# EAGLE board Mk4 Final a Panel score 2x5 (EAGLE 9.0.1), part 26 of 29
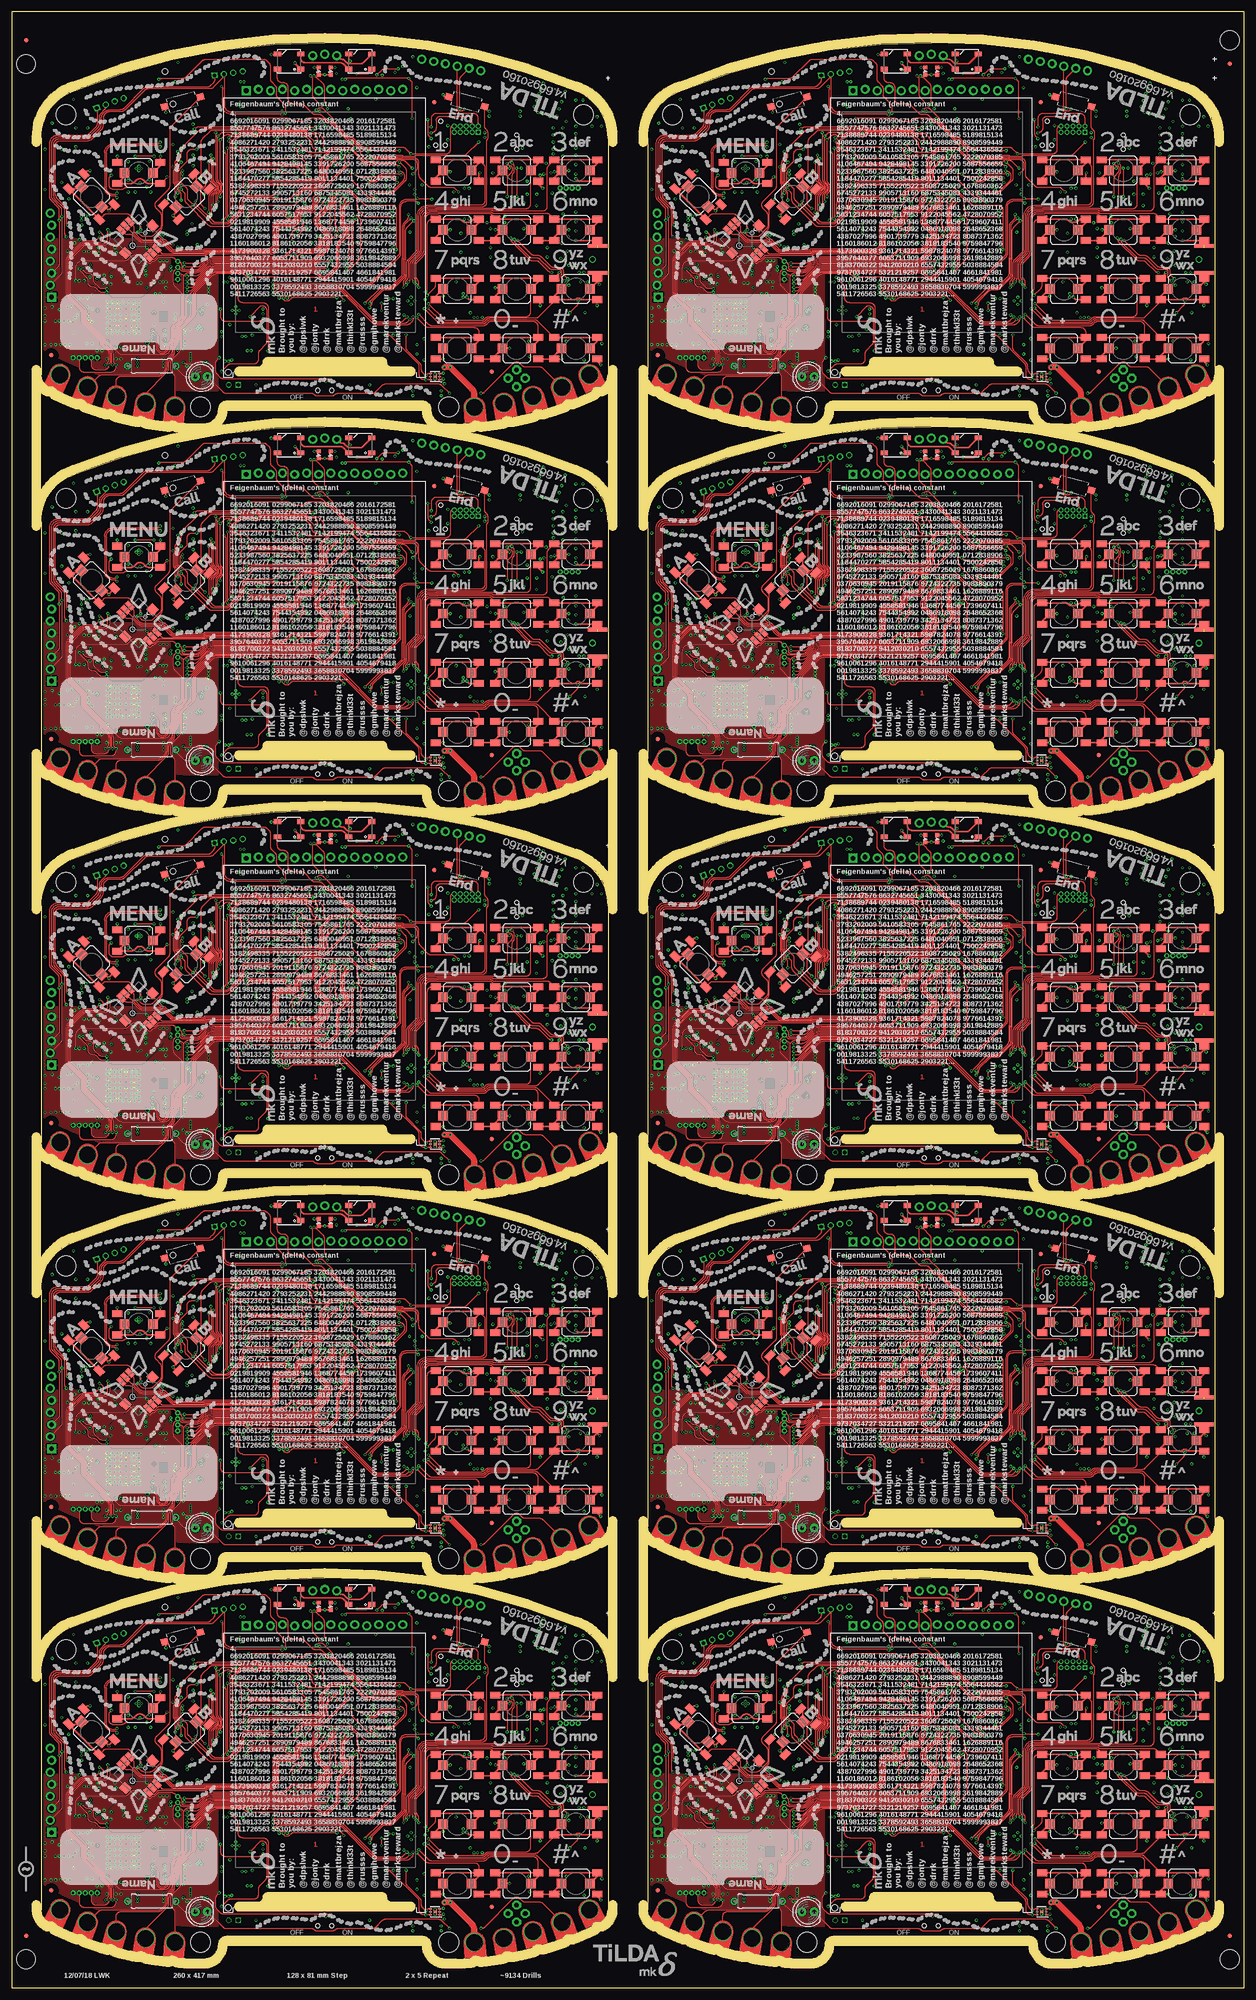
[diagram p0: board, top side]
## Tracks (layer width: path | path; a pad name or v marks a point on that pad's centre or on a via) (continued)
T4CCP12  (via drill 0.3) (continued)
  Bottom 0.15: v49.8,280.65 arc-45 49.29,280.86 46.34,283.81 arc45 44.92,284.4 39.23,284.4 arc-45 38.52,284.69 34.93,288.29 arc-45 34.8,288.6 34.8,288.75 arc90 33.05,290.5 30.06,290.5 arc-45 29.36,290.79 27.76,292.39 arc45 26.52,292.9 17.11,292.9 arc-45 v16.41,293.19 v16.4,293.2
  Bottom 0.2: v71,296.2 71.44,296.63 arc-90 72.14,296.63 72.43,296.35 arc45 72.78,296.2 IC110.127
T4CCP13  (via drill 0.3)
  Top 0.15: PCB6.CH1 34.38,258.9 arc45 34.09,259.61 33.74,259.96 arc-45 33.45,260.66 33.45,261.89 arc-45 33.74,262.59 35.27,264.12 arc45 35.6,264.91 35.6,268.46 arc-45 35.89,269.17 38.23,271.51 arc45 38.6,272.39 38.6,276.21 arc-45 38.89,276.92 42.38,280.41 arc-45 43.09,280.7 48.59,280.7 arc-45 49.29,280.41 49.45,280.25 arc45 49.81,280.1 v50.4,280.1 56,280.1 56.05,280.05 63.94,280.05 arc-45 64.64,279.76 arc45 65.02,279.6 66.08,279.6 arc45 67.14,280.04 68.66,281.56 arc45 69.1,282.62 69.1,286.49 arc-45 69.39,287.19 70.41,288.21 arc45 70.92,289.45 70.92,290.34 70.9,290.37 arc45 70.66,290.94 70.49,291.11 arc-45 70.2,291.81 70.2,294.19 arc-45 70.49,294.89 v71.8,296.2
  3V3@2 0.15: v15.6,292.9 15.6,290.6 15,290 13,290 12.25,289.25 12.25,288 10.16,285.91 JP62.5
  Bottom 0.15: v50.4,280.1 49.81,280.1 arc-45 49.45,280.25 46.11,283.59 arc45 44.88,284.1 39.11,284.1 arc-45 38.4,284.39 34.65,288.15 arc-45 34.5,288.5 34.5,288.7 arc90 33,290.2 30.02,290.2 arc-45 29.13,290.57 27.54,292.16 arc45 26.48,292.6 16.31,292.6 arc-45 v15.61,292.89 v15.6,292.9
  Bottom 0.2: IC110.128 72.41,295.8 arc-45 72.05,295.95 v71.8,296.2
T4CCP14  (via drill 0.3)
  Top 0.15: v199,296.2 198.72,295.92 arc45 198.57,295.57 arc-45 198.46,295.3 198.19,295.03 arc45 197.9,294.32 197.9,291.61 arc45 198.19,290.91 198.42,290.68 arc-45 198.6,290.24 198.62,290.22 198.62,289.55 arc-45 198.19,288.49 197.17,287.47 arc45 196.8,286.58 196.8,282.72 arc-45 196.43,281.83 194.87,280.27 arc-45 193.98,279.9 193.41,279.9 arc-45 192.71,280.19 192.29,280.61 arc45 191.59,280.9 178.26,280.9 arc45 177.9,280.75 v177.8,280.65 177.74,280.71 arc45 177.04,281 171.07,281 arc45 170.19,280.63 166.67,277.12 arc45 166.3,276.23 166.3,272.41 arc-45 166.01,271.71 163.67,269.37 arc45 163.3,268.48 163.3,267.01 arc-45 162.69,265.54 arc45 162.4,264.84 162.4,264.3 arc-45 161.96,263.24 161.52,262.79 arc45 161.15,261.91 161.15,260.97 arc-45 160.71,259.91 156.2,255.4 PCB7.CH2
  3V3@2 0.15: PCB7.CH2 | v144.4,293.2 144.4,292.9 144,292.5 144,290.5 143,289.5 141.5,289.5 140.6,288.6 140.6,287.6 136.37,283.37 JP71.4
  Bottom 0.15: v177.8,280.65 arc-45 177.29,280.86 174.34,283.81 arc45 172.92,284.4 167.23,284.4 arc-45 166.52,284.69 162.93,288.29 arc-45 162.8,288.6 162.8,288.75 arc90 161.05,290.5 158.06,290.5 arc-45 157.36,290.79 155.76,292.39 arc45 154.53,292.9 145.11,292.9 arc-45 v144.41,293.19 v144.4,293.2
  Bottom 0.2: v199,296.2 199.44,296.63 arc-90 200.14,296.63 200.43,296.35 arc45 200.78,296.2 IC128.127
T4CCP15  (via drill 0.3)
  Top 0.15: PCB7.CH1 162.38,258.9 arc45 162.09,259.61 161.74,259.96 arc-45 161.45,260.66 161.45,261.89 arc-45 161.74,262.59 163.28,264.12 arc45 163.6,264.91 163.6,268.46 arc-45 163.89,269.17 166.23,271.51 arc45 166.6,272.39 166.6,276.21 arc-45 166.89,276.92 170.38,280.41 arc-45 171.09,280.7 176.59,280.7 arc-45 177.29,280.41 177.45,280.25 arc45 177.81,280.1 v178.4,280.1 184,280.1 184.05,280.05 191.94,280.05 arc-45 192.64,279.76 arc45 193.02,279.6 194.08,279.6 arc45 195.14,280.04 196.66,281.56 arc45 197.1,282.62 197.1,286.49 arc-45 197.39,287.19 198.41,288.21 arc45 198.93,289.45 198.93,290.34 198.9,290.37 arc45 198.66,290.94 198.49,291.11 arc-45 198.2,291.81 198.2,294.19 arc-45 198.49,294.89 v199.8,296.2
  3V3@2 0.15: v143.6,292.9 143.6,290.6 143,290 141,290 140.25,289.25 140.25,288 138.16,285.91 JP71.5
  Bottom 0.15: v178.4,280.1 177.81,280.1 arc-45 177.45,280.25 174.11,283.59 arc45 172.88,284.1 167.11,284.1 arc-45 166.4,284.39 162.65,288.15 arc-45 162.5,288.5 162.5,288.7 arc90 161,290.2 158.02,290.2 arc-45 157.13,290.57 155.54,292.16 arc45 154.48,292.6 144.31,292.6 arc-45 v143.61,292.89 v143.6,292.9
  Bottom 0.2: IC128.128 200.41,295.8 arc-45 200.05,295.95 v199.8,296.2
T4CCP16  (via drill 0.3)
  Top 0.15: v71,377.2 70.72,376.92 arc45 70.58,376.57 arc-45 70.46,376.3 70.19,376.03 arc45 69.9,375.32 69.9,372.61 arc45 70.19,371.91 70.42,371.68 arc-45 70.6,371.24 70.62,371.22 70.62,370.55 arc-45 70.19,369.49 69.17,368.47 arc45 68.8,367.58 68.8,363.72 arc-45 68.43,362.83 66.87,361.27 arc-45 65.98,360.9 65.41,360.9 arc-45 64.71,361.19 64.29,361.61 arc45 63.59,361.9 50.26,361.9 arc45 49.9,361.75 v49.8,361.65 49.74,361.71 arc45 49.04,362 43.07,362 arc45 42.19,361.63 38.67,358.12 arc45 38.3,357.23 38.3,353.41 arc-45 38.01,352.71 35.67,350.37 arc45 35.3,349.48 35.3,348.01 arc-45 34.69,346.54 arc45 34.4,345.84 34.4,345.3 arc-45 33.96,344.24 33.52,343.79 arc45 33.15,342.91 33.15,341.97 arc-45 32.71,340.91 28.2,336.4 PCB8.CH2
  3V3@2 0.15: PCB8.CH2 | v16.4,374.2 16.4,373.9 16,373.5 16,371.5 15,370.5 13.5,370.5 12.6,369.6 12.6,368.6 8.37,364.37 JP80.4
  Bottom 0.15: v49.8,361.65 arc-45 49.29,361.86 46.34,364.81 arc45 44.92,365.4 39.23,365.4 arc-45 38.52,365.69 34.93,369.29 arc-45 34.8,369.6 34.8,369.75 arc90 33.05,371.5 30.06,371.5 arc-45 29.36,371.79 27.76,373.39 arc45 26.52,373.9 17.11,373.9 arc-45 v16.41,374.19 v16.4,374.2
  Bottom 0.2: v71,377.2 71.44,377.63 arc-90 72.14,377.63 72.43,377.35 arc45 72.78,377.2 IC146.127
T4CCP17  (via drill 0.3)
  Top 0.15: PCB8.CH1 34.38,339.9 arc45 34.09,340.61 33.74,340.96 arc-45 33.45,341.66 33.45,342.89 arc-45 33.74,343.59 35.27,345.12 arc45 35.6,345.91 35.6,349.46 arc-45 35.89,350.17 38.23,352.51 arc45 38.6,353.39 38.6,357.21 arc-45 38.89,357.92 42.38,361.41 arc-45 43.09,361.7 48.59,361.7 arc-45 49.29,361.41 49.45,361.25 arc45 49.81,361.1 v50.4,361.1 56,361.1 56.05,361.05 63.94,361.05 arc-45 64.64,360.76 arc45 65.02,360.6 66.08,360.6 arc45 67.14,361.04 68.66,362.56 arc45 69.1,363.62 69.1,367.49 arc-45 69.39,368.19 70.41,369.21 arc45 70.92,370.45 70.92,371.34 70.9,371.37 arc45 70.66,371.94 70.49,372.11 arc-45 70.2,372.81 70.2,375.19 arc-45 70.49,375.89 v71.8,377.2
  3V3@2 0.15: v15.6,373.9 15.6,371.6 15,371 13,371 12.25,370.25 12.25,369 10.16,366.91 JP80.5
  Bottom 0.15: v50.4,361.1 49.81,361.1 arc-45 49.45,361.25 46.11,364.59 arc45 44.88,365.1 39.11,365.1 arc-45 38.4,365.39 34.65,369.15 arc-45 34.5,369.5 34.5,369.7 arc90 33,371.2 30.02,371.2 arc-45 29.13,371.57 27.54,373.16 arc45 26.48,373.6 16.31,373.6 arc-45 v15.61,373.89 v15.6,373.9
  Bottom 0.2: IC146.128 72.41,376.8 arc-45 72.05,376.95 v71.8,377.2
T4CCP18  (via drill 0.3)
  Top 0.15: v199,377.2 198.72,376.92 arc45 198.57,376.57 arc-45 198.46,376.3 198.19,376.03 arc45 197.9,375.32 197.9,372.61 arc45 198.19,371.91 198.42,371.68 arc-45 198.6,371.24 198.62,371.22 198.62,370.55 arc-45 198.19,369.49 197.17,368.47 arc45 196.8,367.58 196.8,363.72 arc-45 196.43,362.83 194.87,361.27 arc-45 193.98,360.9 193.41,360.9 arc-45 192.71,361.19 192.29,361.61 arc45 191.59,361.9 178.26,361.9 arc45 177.9,361.75 v177.8,361.65 177.74,361.71 arc45 177.04,362 171.07,362 arc45 170.19,361.63 166.67,358.12 arc45 166.3,357.23 166.3,353.41 arc-45 166.01,352.71 163.67,350.37 arc45 163.3,349.48 163.3,348.01 arc-45 162.69,346.54 arc45 162.4,345.84 162.4,345.3 arc-45 161.96,344.24 161.52,343.79 arc45 161.15,342.91 161.15,341.97 arc-45 160.71,340.91 156.2,336.4 PCB9.CH2
  3V3@2 0.15: PCB9.CH2 | v144.4,374.2 144.4,373.9 144,373.5 144,371.5 143,370.5 141.5,370.5 140.6,369.6 140.6,368.6 136.37,364.37 JP89.4
  Bottom 0.15: v177.8,361.65 arc-45 177.29,361.86 174.34,364.81 arc45 172.92,365.4 167.23,365.4 arc-45 166.52,365.69 162.93,369.29 arc-45 162.8,369.6 162.8,369.75 arc90 161.05,371.5 158.06,371.5 arc-45 157.36,371.79 155.76,373.39 arc45 154.53,373.9 145.11,373.9 arc-45 v144.41,374.19 v144.4,374.2
  Bottom 0.2: v199,377.2 199.44,377.63 arc-90 200.14,377.63 200.43,377.35 arc45 200.78,377.2 IC164.127
T4CCP19  (via drill 0.3)
  Top 0.15: PCB9.CH1 162.38,339.9 arc45 162.09,340.61 161.74,340.96 arc-45 161.45,341.66 161.45,342.89 arc-45 161.74,343.59 163.28,345.12 arc45 163.6,345.91 163.6,349.46 arc-45 163.89,350.17 166.23,352.51 arc45 166.6,353.39 166.6,357.21 arc-45 166.89,357.92 170.38,361.41 arc-45 171.09,361.7 176.59,361.7 arc-45 177.29,361.41 177.45,361.25 arc45 177.81,361.1 v178.4,361.1 184,361.1 184.05,361.05 191.94,361.05 arc-45 192.64,360.76 arc45 193.02,360.6 194.08,360.6 arc45 195.14,361.04 196.66,362.56 arc45 197.1,363.62 197.1,367.49 arc-45 197.39,368.19 198.41,369.21 arc45 198.93,370.45 198.93,371.34 198.9,371.37 arc45 198.66,371.94 198.49,372.11 arc-45 198.2,372.81 198.2,375.19 arc-45 198.49,375.89 v199.8,377.2
  3V3@2 0.15: v143.6,373.9 143.6,371.6 143,371 141,371 140.25,370.25 140.25,369 138.16,366.91 JP89.5
  Bottom 0.15: v178.4,361.1 177.81,361.1 arc-45 177.45,361.25 174.11,364.59 arc45 172.88,365.1 167.11,365.1 arc-45 166.4,365.39 162.65,369.15 arc-45 162.5,369.5 162.5,369.7 arc90 161,371.2 158.02,371.2 arc-45 157.13,371.57 155.54,373.16 arc45 154.48,373.6 144.31,373.6 arc-45 v143.61,373.89 v143.6,373.9
  Bottom 0.2: IC164.128 200.41,376.8 arc-45 200.05,376.95 v199.8,377.2
TCA_!INT  (via drill 0.3)
  Top 0.15: v66.4,52.6 arc-45 66.12,52.02 64.29,50.19 arc90 64.29,47.71 65.85,46.15 arc-45 66,45.79 66,45.71 arc-45 65.85,45.35 65.65,45.15 arc45 65.5,44.79 65.5,44.35 arc-45 65.06,43.28 64.61,42.84 arc-45 63.55,42.4 60.91,42.4 arc45 60.21,42.11 v59.7,41.6
  Bottom 0.15: R76.1 60.7,33.25 arc-90 59.7,34.25 v59.7,41.6 | IC1.15 66.6,52.19 arc45 66.45,52.55 v66.4,52.6
  Bottom 0.2: IC4.22 81.71,32.25 arc-45 81.35,32.4 81.06,32.69 arc-45 81.05,32.72 arc45 80.9,33.07 80.87,33.1 arc45 80.52,33.25 R76.1
TCA_!INT1  (via drill 0.3)
  Top 0.15: v194.4,52.6 arc-45 194.12,52.02 192.29,50.19 arc90 192.29,47.71 193.85,46.15 arc-45 194,45.79 194,45.71 arc-45 193.85,45.35 193.65,45.15 arc45 193.5,44.79 193.5,44.35 arc-45 193.06,43.28 192.62,42.84 arc-45 191.55,42.4 188.91,42.4 arc45 188.21,42.11 v187.7,41.6
  Bottom 0.15: R152.1 188.7,33.25 arc-90 187.7,34.25 v187.7,41.6 | IC20.15 194.6,52.19 arc45 194.45,52.55 v194.4,52.6
  Bottom 0.2: IC31.22 209.71,32.25 arc-45 209.35,32.4 209.06,32.69 arc-45 209.05,32.72 arc45 208.9,33.07 208.87,33.1 arc45 208.51,33.25 R152.1
TCA_!INT2  (via drill 0.3)
  Top 0.15: v66.4,133.6 arc-45 66.12,133.02 64.29,131.19 arc90 64.29,128.71 65.85,127.15 arc-45 66,126.79 66,126.71 arc-45 65.85,126.35 65.65,126.15 arc45 65.5,125.79 65.5,125.35 arc-45 65.06,124.28 64.61,123.84 arc-45 63.55,123.4 60.91,123.4 arc45 60.21,123.11 v59.7,122.6
  Bottom 0.15: R230.1 60.7,114.25 arc-90 59.7,115.25 v59.7,122.6 | IC38.15 66.6,133.19 arc45 66.45,133.55 v66.4,133.6
  Bottom 0.2: IC49.22 81.71,113.25 arc-45 81.35,113.4 81.06,113.69 arc-45 81.05,113.72 arc45 80.9,114.07 80.87,114.1 arc45 80.52,114.25 R230.1
TCA_!INT3  (via drill 0.3)
  Top 0.15: v194.4,133.6 arc-45 194.12,133.02 192.29,131.19 arc90 192.29,128.71 193.85,127.15 arc-45 194,126.79 194,126.71 arc-45 193.85,126.35 193.65,126.15 arc45 193.5,125.79 193.5,125.35 arc-45 193.06,124.28 192.62,123.84 arc-45 191.55,123.4 188.91,123.4 arc45 188.21,123.11 v187.7,122.6
  Bottom 0.15: R308.1 188.7,114.25 arc-90 187.7,115.25 v187.7,122.6 | IC56.15 194.6,133.19 arc45 194.45,133.55 v194.4,133.6
  Bottom 0.2: IC67.22 209.71,113.25 arc-45 209.35,113.4 209.06,113.69 arc-45 209.05,113.72 arc45 208.9,114.07 208.87,114.1 arc45 208.51,114.25 R308.1
TCA_!INT4  (via drill 0.3)
  Top 0.15: v66.4,214.6 arc-45 66.12,214.02 64.29,212.19 arc90 64.29,209.71 65.85,208.15 arc-45 66,207.79 66,207.71 arc-45 65.85,207.35 65.65,207.15 arc45 65.5,206.79 65.5,206.35 arc-45 65.06,205.28 64.61,204.84 arc-45 63.55,204.4 60.91,204.4 arc45 60.21,204.11 v59.7,203.6
  Bottom 0.15: R386.1 60.7,195.25 arc-90 59.7,196.25 v59.7,203.6 | IC74.15 66.6,214.19 arc45 66.45,214.55 v66.4,214.6
  Bottom 0.2: IC85.22 81.71,194.25 arc-45 81.35,194.4 81.06,194.69 arc-45 81.05,194.72 arc45 80.9,195.07 80.87,195.1 arc45 80.52,195.25 R386.1
TCA_!INT5  (via drill 0.3)
  Top 0.15: v194.4,214.6 arc-45 194.12,214.02 192.29,212.19 arc90 192.29,209.71 193.85,208.15 arc-45 194,207.79 194,207.71 arc-45 193.85,207.35 193.65,207.15 arc45 193.5,206.79 193.5,206.35 arc-45 193.06,205.28 192.62,204.84 arc-45 191.55,204.4 188.91,204.4 arc45 188.21,204.11 v187.7,203.6
  Bottom 0.15: R464.1 188.7,195.25 arc-90 187.7,196.25 v187.7,203.6 | IC92.15 194.6,214.19 arc45 194.45,214.55 v194.4,214.6
  Bottom 0.2: IC103.22 209.71,194.25 arc-45 209.35,194.4 209.06,194.69 arc-45 209.05,194.72 arc45 208.9,195.07 208.87,195.1 arc45 208.51,195.25 R464.1
TCA_!INT6  (via drill 0.3)
  Top 0.15: v66.4,295.6 arc-45 66.12,295.02 64.29,293.19 arc90 64.29,290.71 65.85,289.15 arc-45 66,288.79 66,288.71 arc-45 65.85,288.35 65.65,288.15 arc45 65.5,287.79 65.5,287.35 arc-45 65.06,286.29 64.61,285.84 arc-45 63.55,285.4 60.91,285.4 arc45 60.21,285.11 v59.7,284.6
  Bottom 0.15: R542.1 60.7,276.25 arc-90 59.7,277.25 v59.7,284.6 | IC110.15 66.6,295.19 arc45 66.45,295.55 v66.4,295.6
  Bottom 0.2: IC121.22 81.71,275.25 arc-45 81.35,275.4 81.06,275.69 arc-45 81.05,275.71 arc45 80.9,276.07 80.87,276.1 arc45 80.52,276.25 R542.1
TCA_!INT7  (via drill 0.3)
  Top 0.15: v194.4,295.6 arc-45 194.12,295.02 192.29,293.19 arc90 192.29,290.71 193.85,289.15 arc-45 194,288.79 194,288.71 arc-45 193.85,288.35 193.65,288.15 arc45 193.5,287.79 193.5,287.35 arc-45 193.06,286.29 192.62,285.84 arc-45 191.55,285.4 188.91,285.4 arc45 188.21,285.11 v187.7,284.6
  Bottom 0.15: R620.1 188.7,276.25 arc-90 187.7,277.25 v187.7,284.6 | IC128.15 194.6,295.19 arc45 194.45,295.55 v194.4,295.6
  Bottom 0.2: IC139.22 209.71,275.25 arc-45 209.35,275.4 209.06,275.69 arc-45 209.05,275.71 arc45 208.9,276.07 208.87,276.1 arc45 208.51,276.25 R620.1
TCA_!INT8  (via drill 0.3)
  Top 0.15: v66.4,376.6 arc-45 66.12,376.02 64.29,374.19 arc90 64.29,371.71 65.85,370.15 arc-45 66,369.79 66,369.71 arc-45 65.85,369.35 65.65,369.15 arc45 65.5,368.79 65.5,368.35 arc-45 65.06,367.29 64.61,366.84 arc-45 63.55,366.4 60.91,366.4 arc45 60.21,366.11 v59.7,365.6
  Bottom 0.15: R698.1 60.7,357.25 arc-90 59.7,358.25 v59.7,365.6 | IC146.15 66.6,376.19 arc45 66.45,376.55 v66.4,376.6
  Bottom 0.2: IC157.22 81.71,356.25 arc-45 81.35,356.4 81.06,356.69 arc-45 81.05,356.71 arc45 80.9,357.07 80.87,357.1 arc45 80.52,357.25 R698.1
TCA_!INT9  (via drill 0.3)
  Top 0.15: v194.4,376.6 arc-45 194.12,376.02 192.29,374.19 arc90 192.29,371.71 193.85,370.15 arc-45 194,369.79 194,369.71 arc-45 193.85,369.35 193.65,369.15 arc45 193.5,368.79 193.5,368.35 arc-45 193.06,367.29 192.62,366.84 arc-45 191.55,366.4 188.91,366.4 arc45 188.21,366.11 v187.7,365.6
  Bottom 0.15: R776.1 188.7,357.25 arc-90 187.7,358.25 v187.7,365.6 | IC164.15 194.6,376.19 arc45 194.45,376.55 v194.4,376.6
  Bottom 0.2: IC175.22 209.71,356.25 arc-45 209.35,356.4 209.06,356.69 arc-45 209.05,356.71 arc45 208.9,357.07 208.87,357.1 arc45 208.51,357.25 R776.1
TPS_FB
  Bottom 0.25: IC9.2 R61.1 R60.2 C103.2
TPS_FB1
  Bottom 0.25: IC33.2 R139.1 R138.2 C211.2
TPS_FB2
  Bottom 0.25: IC51.2 R217.1 R216.2 C319.2
TPS_FB3
  Bottom 0.25: IC69.2 R295.1 R294.2 C427.2
TPS_FB4
  Bottom 0.25: IC87.2 R373.1 R372.2 C535.2
TPS_FB5
  Bottom 0.25: IC105.2 R451.1 R450.2 C643.2
TPS_FB6
  Bottom 0.25: IC123.2 R529.1 R528.2 C751.2
TPS_FB7
  Bottom 0.25: IC141.2 R607.1 R606.2 C859.2
TPS_FB8
  Bottom 0.25: IC159.2 R685.1 R684.2 C967.2
TPS_FB9
  Bottom 0.25: IC177.2 R763.1 R762.2 C1075.2
UART0_CON_RX  (via drill 0.3)
  Top 0.15: v59.9,53.05 59.9,53.16 60.18,53.44 arc45 60.33,53.79 60.33,53.82 arc-45 60.47,54.17 61.51,55.21 arc-45 62.21,55.5 64.66,55.5 arc45 66.61,56.3 70.91,60.61 arc45 71.2,61.31 v71.2,63.5 | v95.5,72.5 v95.49,72.5 95.11,72.12 arc-45 94.76,71.97 94.47,71.97 arc-90 93.97,72.47 JP8.4
  Bottom 0.15: v59.9,53.05 59.85,53.05 59.75,52.95 arc-45 59.39,52.8 IC1.33 | v71.2,63.5 arc-45 71.47,64.14 74.13,66.81 arc-45 74.84,67.1 83.19,67.1 arc45 83.89,67.39 88.01,71.51 arc-45 88.71,71.8 94.59,71.8 arc45 94.95,71.95 v95.5,72.5
UART0_CON_RX1  (via drill 0.3)
  Top 0.15: v187.9,53.05 187.9,53.16 188.18,53.44 arc45 188.32,53.79 188.32,53.82 arc-45 188.47,54.17 189.51,55.21 arc-45 190.21,55.5 192.66,55.5 arc45 194.6,56.3 198.91,60.61 arc45 199.2,61.31 v199.2,63.5 | v223.5,72.5 v223.49,72.5 223.11,72.12 arc-45 222.76,71.97 222.47,71.97 arc-90 221.97,72.47 JP18.4
  Bottom 0.15: v187.9,53.05 187.85,53.05 187.75,52.95 arc-45 187.39,52.8 IC20.33 | v199.2,63.5 arc-45 199.47,64.14 202.13,66.81 arc-45 202.84,67.1 211.19,67.1 arc45 211.89,67.39 216.01,71.51 arc-45 216.71,71.8 222.59,71.8 arc45 222.95,71.95 v223.5,72.5
UART0_CON_RX2  (via drill 0.3)
  Top 0.15: v59.9,134.05 59.9,134.16 60.18,134.44 arc45 60.33,134.79 60.33,134.82 arc-45 60.47,135.17 61.51,136.21 arc-45 62.21,136.5 64.66,136.5 arc45 66.61,137.31 70.91,141.61 arc45 71.2,142.31 v71.2,144.5 | v95.5,153.5 v95.49,153.5 95.11,153.12 arc-45 94.76,152.97 94.47,152.97 arc-90 93.97,153.47 JP27.4
  Bottom 0.15: v59.9,134.05 59.85,134.05 59.75,133.95 arc-45 59.39,133.8 IC38.33 | v71.2,144.5 arc-45 71.47,145.14 74.13,147.81 arc-45 74.84,148.1 83.19,148.1 arc45 83.89,148.39 88.01,152.51 arc-45 88.71,152.8 94.59,152.8 arc45 94.95,152.95 v95.5,153.5
UART0_CON_RX3  (via drill 0.3)
  Top 0.15: v187.9,134.05 187.9,134.16 188.18,134.44 arc45 188.32,134.79 188.32,134.82 arc-45 188.47,135.17 189.51,136.21 arc-45 190.21,136.5 192.66,136.5 arc45 194.6,137.31 198.91,141.61 arc45 199.2,142.31 v199.2,144.5 | v223.5,153.5 v223.49,153.5 223.11,153.12 arc-45 222.76,152.97 222.47,152.97 arc-90 221.97,153.47 JP36.4
  Bottom 0.15: v187.9,134.05 187.85,134.05 187.75,133.95 arc-45 187.39,133.8 IC56.33 | v199.2,144.5 arc-45 199.47,145.14 202.13,147.81 arc-45 202.84,148.1 211.19,148.1 arc45 211.89,148.39 216.01,152.51 arc-45 216.71,152.8 222.59,152.8 arc45 222.95,152.95 v223.5,153.5
UART0_CON_RX4  (via drill 0.3)
  Top 0.15: v59.9,215.05 59.9,215.16 60.18,215.44 arc45 60.33,215.79 60.33,215.82 arc-45 60.47,216.17 61.51,217.21 arc-45 62.21,217.5 64.66,217.5 arc45 66.61,218.31 70.91,222.61 arc45 71.2,223.31 v71.2,225.5 | v95.5,234.5 v95.49,234.5 95.11,234.12 arc-45 94.76,233.97 94.47,233.97 arc-90 93.97,234.47 JP45.4
  Bottom 0.15: v59.9,215.05 59.85,215.05 59.75,214.95 arc-45 59.39,214.8 IC74.33 | v71.2,225.5 arc-45 71.47,226.14 74.13,228.81 arc-45 74.84,229.1 83.19,229.1 arc45 83.89,229.39 88.01,233.51 arc-45 88.71,233.8 94.59,233.8 arc45 94.95,233.95 v95.5,234.5
UART0_CON_RX5  (via drill 0.3)
  Top 0.15: v187.9,215.05 187.9,215.16 188.18,215.44 arc45 188.32,215.79 188.32,215.82 arc-45 188.47,216.17 189.51,217.21 arc-45 190.21,217.5 192.66,217.5 arc45 194.6,218.31 198.91,222.61 arc45 199.2,223.31 v199.2,225.5 | v223.5,234.5 v223.49,234.5 223.11,234.12 arc-45 222.76,233.97 222.47,233.97 arc-90 221.97,234.47 JP54.4
  Bottom 0.15: v187.9,215.05 187.85,215.05 187.75,214.95 arc-45 187.39,214.8 IC92.33 | v199.2,225.5 arc-45 199.47,226.14 202.13,228.81 arc-45 202.84,229.1 211.19,229.1 arc45 211.89,229.39 216.01,233.51 arc-45 216.71,233.8 222.59,233.8 arc45 222.95,233.95 v223.5,234.5
UART0_CON_RX6  (via drill 0.3)
  Top 0.15: v59.9,296.05 59.9,296.16 60.18,296.44 arc45 60.33,296.79 60.33,296.82 arc-45 60.47,297.17 61.51,298.21 arc-45 62.21,298.5 64.66,298.5 arc45 66.61,299.31 70.91,303.61 arc45 71.2,304.31 v71.2,306.5 | v95.5,315.5 v95.49,315.5 95.11,315.12 arc-45 94.76,314.98 94.47,314.98 arc-90 93.97,315.48 JP63.4
  Bottom 0.15: v59.9,296.05 59.85,296.05 59.75,295.95 arc-45 59.39,295.8 IC110.33 | v71.2,306.5 arc-45 71.47,307.14 74.13,309.81 arc-45 74.84,310.1 83.19,310.1 arc45 83.89,310.39 88.01,314.51 arc-45 88.71,314.8 94.59,314.8 arc45 94.95,314.95 v95.5,315.5
UART0_CON_RX7  (via drill 0.3)
  Top 0.15: v187.9,296.05 187.9,296.16 188.18,296.44 arc45 188.32,296.79 188.32,296.82 arc-45 188.47,297.17 189.51,298.21 arc-45 190.21,298.5 192.66,298.5 arc45 194.6,299.31 198.91,303.61 arc45 199.2,304.31 v199.2,306.5 | v223.5,315.5 v223.49,315.5 223.11,315.12 arc-45 222.76,314.98 222.47,314.98 arc-90 221.97,315.48 JP72.4
  Bottom 0.15: v187.9,296.05 187.85,296.05 187.75,295.95 arc-45 187.39,295.8 IC128.33 | v199.2,306.5 arc-45 199.47,307.14 202.13,309.81 arc-45 202.84,310.1 211.19,310.1 arc45 211.89,310.39 216.01,314.51 arc-45 216.71,314.8 222.59,314.8 arc45 222.95,314.95 v223.5,315.5
UART0_CON_RX8  (via drill 0.3)
  Top 0.15: v59.9,377.05 59.9,377.16 60.18,377.44 arc45 60.33,377.79 60.33,377.82 arc-45 60.47,378.17 61.51,379.21 arc-45 62.21,379.5 64.66,379.5 arc45 66.61,380.31 70.91,384.61 arc45 71.2,385.31 v71.2,387.5 | v95.5,396.5 v95.49,396.5 95.11,396.12 arc-45 94.76,395.98 94.47,395.98 arc-90 93.97,396.48 JP81.4
  Bottom 0.15: v59.9,377.05 59.85,377.05 59.75,376.95 arc-45 59.39,376.8 IC146.33 | v71.2,387.5 arc-45 71.47,388.14 74.13,390.81 arc-45 74.84,391.1 83.19,391.1 arc45 83.89,391.39 88.01,395.51 arc-45 88.71,395.8 94.59,395.8 arc45 94.95,395.95 v95.5,396.5
UART0_CON_RX9  (via drill 0.3)
  Top 0.15: v187.9,377.05 187.9,377.16 188.18,377.44 arc45 188.32,377.79 188.32,377.82 arc-45 188.47,378.17 189.51,379.21 arc-45 190.21,379.5 192.66,379.5 arc45 194.6,380.31 198.91,384.61 arc45 199.2,385.31 v199.2,387.5 | v223.5,396.5 v223.49,396.5 223.11,396.12 arc-45 222.76,395.98 222.47,395.98 arc-90 221.97,396.48 JP90.4
  Bottom 0.15: v187.9,377.05 187.85,377.05 187.75,376.95 arc-45 187.39,376.8 IC164.33 | v199.2,387.5 arc-45 199.47,388.14 202.13,390.81 arc-45 202.84,391.1 211.19,391.1 arc45 211.89,391.39 216.01,395.51 arc-45 216.71,395.8 222.59,395.8 arc45 222.95,395.95 v223.5,396.5
UART0_CON_TX  (via drill 0.3)
  Top 0.15: v59.8,53.8 arc-45 59.94,54.14 61.23,55.43 arc-45 62.12,55.8 64.56,55.8 arc45 66.33,56.53 70.11,60.31 arc45 70.4,61.01 v70.4,63.5 | v94.5,72.5 94.5,78.67 arc-45 94.79,79.38 JP8.5
  Bottom 0.15: v70.4,63.5 74.01,67.11 arc-45 74.71,67.4 83.04,67.4 arc45 83.74,67.69 87.86,71.81 arc-45 88.56,72.1 93.99,72.1 arc45 94.35,72.25 94.5,72.4 v94.5,72.5 | IC1.34 58.99,53.2 arc45 59.35,53.35 v59.8,53.8
UART0_CON_TX1  (via drill 0.3)
  Top 0.15: v187.8,53.8 arc-45 187.94,54.14 189.23,55.43 arc-45 190.12,55.8 192.56,55.8 arc45 194.33,56.53 198.11,60.31 arc45 198.4,61.01 v198.4,63.5 | v222.5,72.5 222.5,78.67 arc-45 222.79,79.38 JP18.5
  Bottom 0.15: v198.4,63.5 202.01,67.11 arc-45 202.71,67.4 211.04,67.4 arc45 211.74,67.69 215.86,71.81 arc-45 216.56,72.1 221.99,72.1 arc45 222.35,72.25 222.5,72.4 v222.5,72.5 | IC20.34 186.99,53.2 arc45 187.35,53.35 v187.8,53.8
UART0_CON_TX2  (via drill 0.3)
  Top 0.15: v59.8,134.8 arc-45 59.94,135.14 61.23,136.43 arc-45 62.12,136.8 64.56,136.8 arc45 66.33,137.53 70.11,141.31 arc45 70.4,142.01 v70.4,144.5 | v94.5,153.5 94.5,159.67 arc-45 94.79,160.38 JP27.5
  Bottom 0.15: v70.4,144.5 74.01,148.11 arc-45 74.71,148.4 83.04,148.4 arc45 83.74,148.69 87.86,152.81 arc-45 88.56,153.1 93.99,153.1 arc45 94.35,153.25 94.5,153.4 v94.5,153.5 | IC38.34 58.99,134.2 arc45 59.35,134.35 v59.8,134.8
UART0_CON_TX3  (via drill 0.3)
  Top 0.15: v187.8,134.8 arc-45 187.94,135.14 189.23,136.43 arc-45 190.12,136.8 192.56,136.8 arc45 194.33,137.53 198.11,141.31 arc45 198.4,142.01 v198.4,144.5 | v222.5,153.5 222.5,159.67 arc-45 222.79,160.38 JP36.5
  Bottom 0.15: v198.4,144.5 202.01,148.11 arc-45 202.71,148.4 211.04,148.4 arc45 211.74,148.69 215.86,152.81 arc-45 216.56,153.1 221.99,153.1 arc45 222.35,153.25 222.5,153.4 v222.5,153.5 | IC56.34 186.99,134.2 arc45 187.35,134.35 v187.8,134.8
UART0_CON_TX4  (via drill 0.3)
  Top 0.15: v59.8,215.8 arc-45 59.94,216.14 61.23,217.43 arc-45 62.12,217.8 64.56,217.8 arc45 66.33,218.53 70.11,222.31 arc45 70.4,223.01 v70.4,225.5 | v94.5,234.5 94.5,240.67 arc-45 94.79,241.38 JP45.5
  Bottom 0.15: v70.4,225.5 74.01,229.11 arc-45 74.71,229.4 83.04,229.4 arc45 83.74,229.69 87.86,233.81 arc-45 88.56,234.1 93.99,234.1 arc45 94.35,234.25 94.5,234.4 v94.5,234.5 | IC74.34 58.99,215.2 arc45 59.35,215.35 v59.8,215.8
UART0_CON_TX5  (via drill 0.3)
  Top 0.15: v187.8,215.8 arc-45 187.94,216.14 189.23,217.43 arc-45 190.12,217.8 192.56,217.8 arc45 194.33,218.53 198.11,222.31 arc45 198.4,223.01 v198.4,225.5 | v222.5,234.5 222.5,240.67 arc-45 222.79,241.38 JP54.5
  Bottom 0.15: v198.4,225.5 202.01,229.11 arc-45 202.71,229.4 211.04,229.4 arc45 211.74,229.69 215.86,233.81 arc-45 216.56,234.1 221.99,234.1 arc45 222.35,234.25 222.5,234.4 v222.5,234.5 | IC92.34 186.99,215.2 arc45 187.35,215.35 v187.8,215.8
UART0_CON_TX6  (via drill 0.3)
  Top 0.15: v59.8,296.8 arc-45 59.94,297.14 61.23,298.43 arc-45 62.12,298.8 64.56,298.8 arc45 66.33,299.53 70.11,303.31 arc45 70.4,304.01 v70.4,306.5 | v94.5,315.5 94.5,321.67 arc-45 94.79,322.38 JP63.5
  Bottom 0.15: v70.4,306.5 74.01,310.11 arc-45 74.71,310.4 83.04,310.4 arc45 83.74,310.69 87.86,314.81 arc-45 88.56,315.1 93.99,315.1 arc45 94.35,315.25 94.5,315.4 v94.5,315.5 | IC110.34 58.99,296.2 arc45 59.35,296.35 v59.8,296.8